# KiCad board Solder.kicad_pcb (continued)
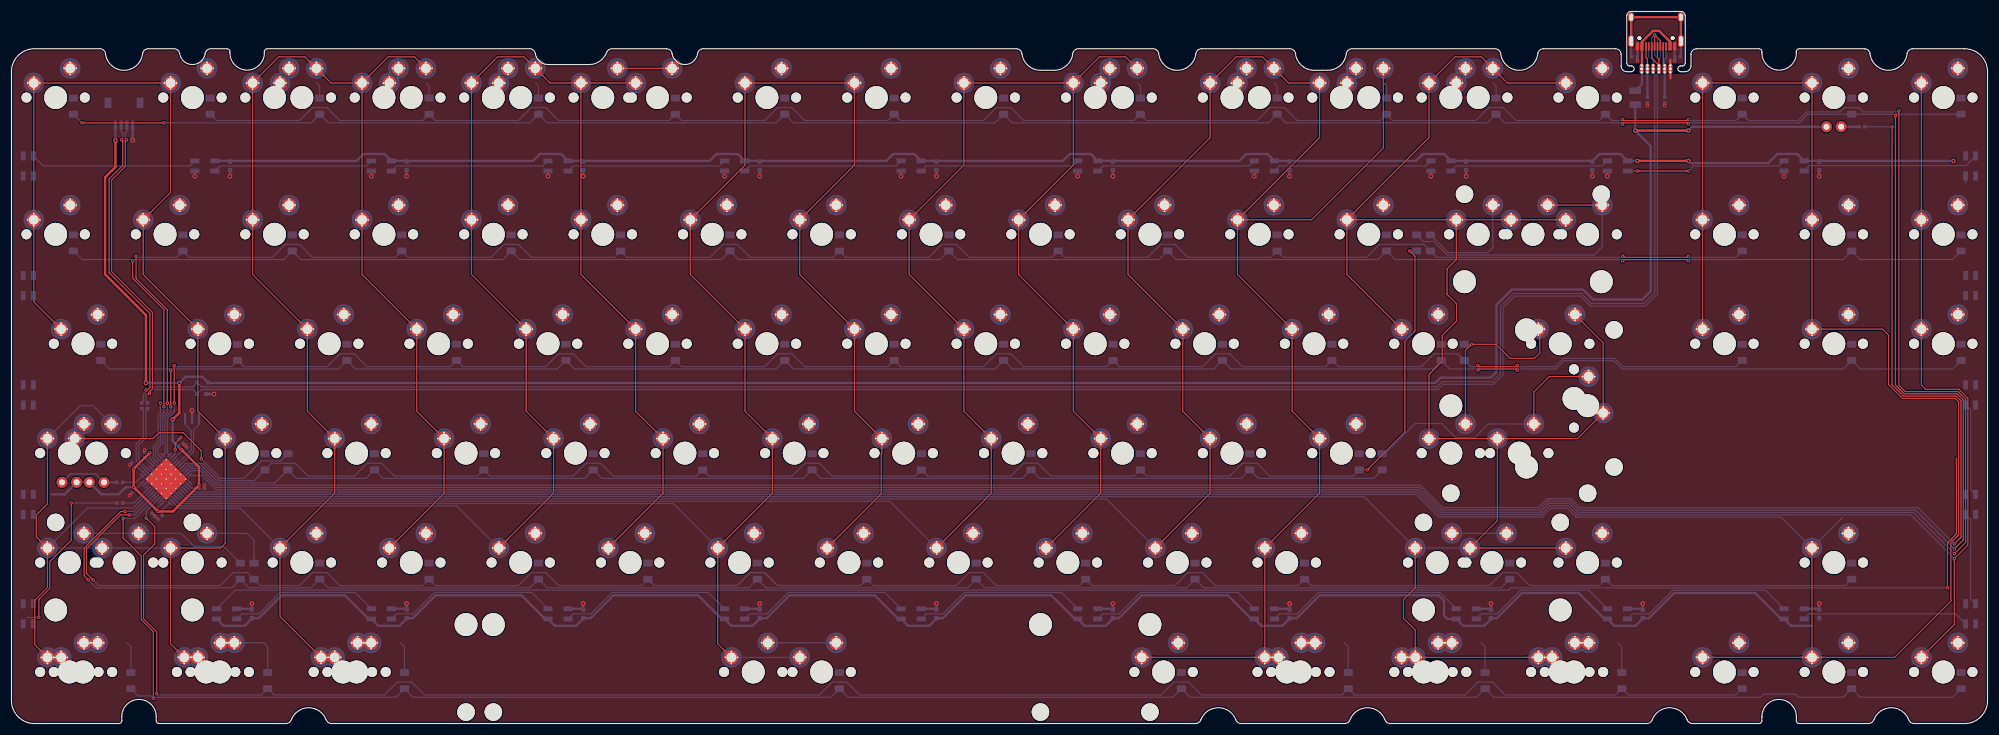
[diagram p0: board, top side]
## Routing (per net, layer and track width the routed paths; a pad name or vN(x,y) marks a point on that pad's centre or on a via; arc(x,y) is an arc through that point) (continued)
R9: length 388.1
  Top w0.2: v1(20.58,36.32) 18.98,36.32 13.05,30.38 13.05,26.16 v1(14.18,25.02)
  Bottom w0.2: 111.9,24.02 126.35,24.02 ; 111.9,24.02 D36.1 ; 111.9,24.02 D36.1 ; 111.9,24.02 126.35,24.02 ; 126.35,24.02 128.6,26.27 ; 126.35,24.02 128.6,26.27 ; 131.1,26.27 133.35,24.02 ; 131.1,26.27 128.6,26.27 ; 131.1,26.27 133.35,24.02 ; 131.1,26.27 128.6,26.27 ; 133.35,24.02 147.8,24.02 ; 133.35,24.02 147.8,24.02 ; 147.8,24.02 D47.1 ; 147.8,24.02 D47.1 ; D47.1 150,24.02 164.45,24.02 166.7,26.27 169.2,26.27 171.45,24.02 185.9,24.02 D57.1 188.1,24.02 202.55,24.02 204.8,26.27 207.3,26.27 209.55,24.02 224,24.02 D68.1 226.2,24.02 257.32,24.02 259.57,26.27 262.07,26.27 264.32,24.02 276.39,24.02 D80.1 278.59,24.02 319.25,24.02 D89.1 ; D36.1 109.7,24.02 95.25,24.02 93,26.27 90.5,26.27 88.25,24.02 73.8,24.02 D26.1 71.6,24.02 57.15,24.02 54.9,26.27 52.4,26.27 50.15,24.02 43.31,24.02 D14.1 41.06,26.27 38.58,26.27 36.33,24.02 15.18,24.02 v1(14.18,25.02) ; v1(20.58,36.32) 21.38,36.32 U1.38 24.92,39.86
R10: length 367.6
  Top w0.2: v1(19.42,35.72) 19.42,32.33 22.59,29.16 22.59,18.08 24.69,15.99 v1(24.69,4.37)
  Bottom w0.2: v1(19.42,35.72) 21.49,35.72 U1.37 ; D9.1 22.05,4.81 24.25,4.81 v1(24.69,4.37) 24.89,4.57 66.91,4.57 D21.1 69.91,4.57 142.64,4.57 D42.1 145.64,4.57 202.17,4.57 D63.1 205.17,4.57 255.03,4.57 D75.1 258.03,4.57 304.52,4.57 305.05,5.1 310.53,5.1 311.06,4.57 318.85,4.57 D90.1 321.85,4.57 337.9,4.57 D94.1
R11: length 324
  Top w0.2: v1(23.44,35.77) 24.94,34.27 24.94,31.27 22.99,29.32 22.99,18.25 25.29,15.95 v1(25.29,5.17)
  Bottom w0.2: v1(23.44,35.77) 23.44,36.97 U1.36 ; v1(25.29,5.17) 25.49,4.97 43.5,4.97 D15.1 45.7,4.97 64.91,4.97 67.16,7.22 69.66,7.22 71.91,4.97 140.64,4.97 142.89,7.22 145.39,7.22 147.64,4.97 200.17,4.97 202.42,7.22 204.92,7.22 207.17,4.97 231.61,4.97 D69.1 233.81,4.97 253.03,4.97 255.28,7.22 257.78,7.22 260.03,4.97 279.24,4.97 D81.1 281.44,4.97 300.2,4.97 D85.1
Scroll: length 403.1
  Top w0.2: v1(327.37,103.91) 327.37,58.98 329.35,57 338.55,57 339.38,56.17 339.38,32.41 v1(338.23,31.26)
  Bottom w0.2: R3.1 v1(327.37,103.91) ; U1.20 30.89,44.42 33,44.42 35.93,41.49 245.22,41.49 249.14,37.57 265.78,37.57 267.33,39.12 271.46,39.12 273.04,37.55 331.94,37.55 v1(338.23,31.26)
Shiled: length 39.6
  Top w0.4: USB1.13 USB1.13 USB1.13 USB1.13
  Bottom w0.4: 290.61,116.02 USB1.13 USB1.13 USB1.13 USB1.13 281.97,116.02
Strip1: length 29.2
  Bottom w0.2: RGB2.4 31.04,97.08 5.55,97.08 RGB13.2
Strip2: length 31
  Bottom w0.2: RGB19.2 313,97.13 340.24,97.13 RGB20.4
Strip3: length 29.2
  Bottom w0.2: RGB21.4 312.95,19.09 338.44,19.09 RGB12.2
Net-(C2-Pad2): length 2
  Bottom w0.2: C2.2 U1.6
Net-(D1-Pad1): length 10.8
  Bottom w0.25: D2.1 14.64,43.46 10.26,43.46 D1.1
  Bottom w0.4: D2.1 R2.2
Net-(D3-Pad1): length 3.1
  Bottom w0.4: D3.1 R3.2
Net-(D7-Pad2): length 43.4
  Top w0.2: v1(33.04,46.07) 33.04,47.49 29.91,50.62 25.67,50.62 24.66,49.61 13.57,49.61 MX9.1
  Bottom w0.2: v1(33.04,46.07) 36.42,42.69 40.49,42.69 43.52,45.72 46.87,45.72 D7.2
Net-(D8-Pad2): length 29.4
  Bottom w0.2: MX6.2 MX7.2 29.5,33.1 31.83,30.77 36.98,30.77 D8.2
Net-(D9-Pad2): length 5.5
  Bottom w0.2: 20.09,14.05 20.78,13.36 D9.2
Net-(D14-Pad2): length 12.6
  Bottom w0.2: D14.2 42.21,31.89 41,33.1 MX15.2
Net-(D15-Pad2): length 10.6
  Bottom w0.2: D15.2 44.6,13.36 43.91,14.05 MX10.2
Net-(D16-Pad2): length 2.9
  Bottom w0.2: 53.12,111.53 53.65,111 D16.2
Net-(D21-Pad2): length 5.5
  Bottom w0.2: D21.2 68.41,13.36 67.72,14.05
Net-(D22-Pad2): length 2.9
  Bottom w0.2: D22.2 72.7,111 72.17,111.53
Net-(D27-Pad2): length 2.9
  Bottom w0.2: D27.2 91.75,111 91.22,111.53
Net-(D32-Pad2): length 9.5
  Top w0.2: MX37.2 MX38.2
Net-(D42-Pad2): length 11.9
  Bottom w0.2: MX43.2 MX49.2
Net-(D53-Pad2): length 2.9
  Bottom w0.2: D53.2 196.52,111 196,111.53
Net-(D58-Pad2): length 2.9
  Bottom w0.2: D58.2 220.34,111 219.81,111.53
Net-(D64-Pad2): length 2.9
  Bottom w0.2: D64.2 239.39,111 238.86,111.53
Net-(D69-Pad2): length 5.5
  Bottom w0.2: D69.2 232.71,13.36 232.02,14.05
Net-(D70-Pad2): length 2.9
  Bottom w0.2: D70.2 258.44,111 257.91,111.53
Net-(D73-Pad2): length 46.3
  Top w0.2: MX85.2 265.02,57.73 267.7,60.41 MX90.1
  Bottom w0.2: MX85.2 257.1,52.15 254.69,49.74 251.44,49.74 248.94,52.24 244.39,52.24 239.12,46.97
Net-(D74-Pad2): length 9.5
  Bottom w0.2: MX86.2 MX87.2
Net-(D75-Pad2): length 5.5
  Bottom w0.2: D75.2 256.53,13.36 255.84,14.05
Net-(D77-Pad2): length 19.9
  Bottom w0.2: MX93.2 257.88,82.85 257,81.97 250.1,81.97 D77.2
Net-(D78-Pad2): length 33
  Top w0.2: 266.04,68.66 266.04,64.5 265.12,63.57 260.87,63.57 258.42,66.02 v1(254.17,66.02) 253.11,64.97 MX94.2
  Bottom w0.2: D78.2 v1(254.17,66.02)
Net-(D79-Pad2): length 51.1
  Top w0.2: MX96.2 MX95.2
  Bottom w0.2: MX95.2 276.93,83 275.5,81.57 249.94,81.57 247.59,83.92 245.77,83.92 D79.2
Net-(D81-Pad2): length 5.5
  Bottom w0.2: D81.2 280.34,13.36 279.65,14.05
Net-(R1-Pad2): length 4.6
  Top w0.2: v1(29.51,49.82) 28.5,48.81 v1(28.5,47.68)
  Bottom w0.2: U1.13 28.5,46.97 v1(28.5,47.68) ; R1.2 v1(29.51,49.82)
Net-(R4-Pad2): length 2.8
  Bottom w0.2: U1.33 26.22,37.15 R4.2
Net-(R5-Pad2): length 5.6
  Bottom w0.2: U1.41 21.33,38.39 R5.2
Net-(RGB2-Pad2): length 28
  Bottom w0.2: RGB5.4 61.78,97.08 36.29,97.08 RGB2.2
Net-(RGB5-Pad2): length 28
  Bottom w0.2: RGB5.2 67.03,97.08 92.52,97.08 RGB8.4
Net-(RGB6-Pad2): length 16.3
  Bottom w0.2: RGB6.2 341.06,54.57 341.06,40.77 RGB9.4
Net-(RGB11-Pad2): length 28
  Bottom w0.2: RGB14.4 154,97.08 128.51,97.08 RGB11.2
Net-(RGB11-Pad4): length 28
  Bottom w0.2: RGB11.4 123.26,97.08 97.77,97.08 RGB8.2
Net-(RGB12-Pad4): length 16.3
  Bottom w0.2: RGB9.2 341.06,35.52 341.06,21.72 RGB12.4
Net-(RGB14-Pad2): length 28
  Bottom w0.2: RGB14.2 159.25,97.08 184.74,97.08 RGB15.4
Net-(RGB15-Pad2): length 28
  Bottom w0.2: RGB15.2 189.99,97.08 215.48,97.08 RGB16.4
Net-(RGB16-Pad2): length 28
  Bottom w0.2: RGB16.2 220.73,97.08 246.22,97.08 RGB17.4
Net-(RGB17-Pad2): length 28
  Bottom w0.2: RGB18.4 276.96,97.08 251.47,97.08 RGB17.2
Net-(RGB18-Pad2): length 28
  Top w0.2: v1(291.95,96.21) v1(283.02,96.21)
  Bottom w0.2: v1(291.95,96.21) 292.82,97.08 307.7,97.08 RGB19.4 ; RGB18.2 v1(283.02,96.21)
Net-(RGB20-Pad2): length 1.2
  Bottom w0.2: RGB20.2 340.19,94.12
Net-(RGB21-Pad2): length 30.7
  Bottom w0.2: RGB21.2 305.32,23.22 289.23,23.22 285.1,19.09 282.21,19.09 RGB22.4
Net-(RGB22-Pad2): length 26.2
  Bottom w0.2: RGB22.2 274.58,23.22 262.74,23.22 258.61,19.09 255.88,19.09 RGB23.4
Net-(RGB23-Pad2): length 34.7
  Bottom w0.2: RGB24.4 220.73,19.09 223.79,19.09 227.52,22.82 248.65,22.82 RGB23.2
Net-(RGB24-Pad2): length 30.3
  Bottom w0.2: RGB24.2 213.5,22.82 196.56,22.82 192.83,19.09 189.99,19.09 RGB25.4
Net-(RGB25-Pad2): length 30.3
  Bottom w0.2: RGB25.2 182.76,22.82 165.9,22.82 162.17,19.09 159.25,19.09 RGB26.4
Net-(RGB26-Pad2): length 30.3
  Bottom w0.2: RGB26.2 152.02,22.82 135.24,22.82 131.51,19.09 128.51,19.09 RGB27.4
Net-(RGB27-Pad2): length 30.3
  Bottom w0.2: RGB28.4 97.77,19.09 100.85,19.09 104.58,22.82 121.28,22.82 RGB27.2
Net-(RGB28-Pad2): length 30.3
  Bottom w0.2: RGB29.4 67.03,19.09 69.9,19.09 73.63,22.82 90.54,22.82 RGB28.2
Net-(RGB29-Pad2): length 26.5
  Bottom w0.2: RGB30.4 40.08,19.09 43.11,19.09 46.84,22.82 59.8,22.82 RGB29.2
Net-(U1-Pad16): length 9.2
  Bottom w0.2: U1.16 31.29,47.65 31.29,51.01 30.23,52.07 Y1.3
Net-(U1-Pad17): length 9.6
  Bottom w0.2: U1.17 31.69,47.34 31.69,51.13 32.63,52.07 Y1.1

## Copper pours and planes (outline as drawn; the poured copper is in the pictures)
+5V on Bottom: 10.13,40.51 10.19,40.56 10.25,40.61 10.3,40.66 10.35,40.7 10.4,40.73 10.45,40.77 10.5,40.8 10.54,40.82 10.59,40.84 10.63,40.86 11.52,41.05 11.58,41.07 11.65,41.09 11.67,42.33 10.44,42.31 10.42,42.24 10.4,42.18 10.21,41.29 10.19,41.24 10.16,41.2 10.14,41.15 10.11,41.1 10.08,41.06 10.04,41.01 10,40.95 9.96,40.9 9.91,40.85 9.85,40.79
+5V on Bottom: 314.08,103.71 314.16,103.71 314.23,103.7 314.3,103.7 314.36,103.69 314.42,103.68 314.48,103.67 314.54,103.66 314.59,103.64 314.64,103.62 314.68,103.61 315.44,103.11 315.5,103.08 315.56,103.05 316.46,103.91 315.56,104.76 315.5,104.73 315.44,104.7 314.68,104.21 314.64,104.19 314.59,104.17 314.54,104.16 314.48,104.15 314.42,104.13 314.36,104.12 314.3,104.12 314.23,104.11 314.16,104.11 314.08,104.11
+5V on Bottom: 11.66,41.79 11.74,41.79 11.81,41.79 11.88,41.78 11.94,41.78 12.01,41.77 12.06,41.76 12.12,41.74 12.17,41.73 12.22,41.71 12.26,41.69 13.02,41.2 13.08,41.17 13.15,41.14 14.04,41.99 13.15,42.85 13.08,42.82 13.02,42.79 12.26,42.3 12.22,42.28 12.17,42.26 12.12,42.25 12.06,42.23 12.01,42.22 11.94,42.21 11.88,42.2 11.81,42.2 11.74,42.2 11.66,42.19
+5V on Bottom: 13.24,42.19 13.16,42.2 13.09,42.2 13.02,42.2 12.95,42.21 12.89,42.22 12.83,42.23 12.78,42.25 12.73,42.26 12.68,42.28 12.64,42.3 11.87,42.79 11.81,42.82 11.75,42.85 10.86,41.99 11.75,41.14 11.81,41.17 11.87,41.2 12.64,41.69 12.68,41.71 12.73,41.73 12.78,41.74 12.83,41.76 12.89,41.77 12.95,41.78 13.02,41.78 13.09,41.79 13.16,41.79 13.24,41.79
+5V on Bottom: 15.05,40.79 14.99,40.85 14.94,40.9 14.9,40.95 14.86,41.01 14.82,41.06 14.79,41.1 14.76,41.15 14.73,41.2 14.71,41.24 14.69,41.29 14.5,42.18 14.48,42.24 14.46,42.31 13.22,42.33 13.25,41.09 13.31,41.07 13.38,41.05 14.26,40.86 14.31,40.84 14.36,40.82 14.4,40.8 14.45,40.77 14.5,40.73 14.55,40.7 14.6,40.66 14.65,40.61 14.71,40.56 14.76,40.51
GND on Top: 345.83,-0.55 -1.84,-0.55 -1.84,118.51 279.75,118.51 279.75,126.85 292.84,126.85 292.84,118.51 345.83,118.51
C0 on Top: 30.62,70.35 30.69,70.28 30.76,70.2 30.82,70.13 30.87,70.06 30.92,69.99 30.96,69.93 30.99,69.86 31.02,69.8 31.04,69.73 31.06,69.67 31.08,69.61 31.09,69.55 31.1,69.48 31.11,69.42 31.14,68.9 31.15,68.83 31.15,68.75 31.16,68.68 31.18,68.6 31.2,68.52 31.22,68.43 31.24,68.35 31.27,68.25 32.89,68.22 32.86,69.85 32.77,69.87 32.68,69.9 32.6,69.92 32.52,69.94 32.44,69.95 32.36,69.96 32.29,69.97 32.22,69.98 31.69,70.01 31.63,70.01 31.57,70.02 31.51,70.04 31.45,70.05 31.38,70.07 31.32,70.1 31.26,70.13 31.19,70.16 31.12,70.2 31.05,70.25 30.98,70.3 30.91,70.36 30.84,70.42 30.76,70.5
C0 on Top: 27.79,28.07 27.79,28.18 27.8,28.28 27.81,28.37 27.82,28.46 27.84,28.54 27.85,28.61 27.88,28.68 27.9,28.75 27.93,28.81 27.96,28.87 27.99,28.93 28.03,28.98 28.06,29.03 28.1,29.08 28.45,29.47 28.5,29.53 28.54,29.58 28.59,29.65 28.64,29.71 28.68,29.78 28.73,29.85 28.77,29.93 28.81,30.02 27.69,31.19 26.56,30.02 26.61,29.93 26.65,29.85 26.7,29.78 26.74,29.71 26.79,29.65 26.83,29.58 26.88,29.53 26.93,29.47 27.28,29.08 27.31,29.03 27.35,28.98 27.39,28.93 27.42,28.87 27.45,28.81 27.48,28.75 27.5,28.68 27.52,28.61 27.54,28.54 27.56,28.46 27.57,28.37 27.58,28.28 27.59,28.18 27.59,28.07
C0 on Top: 6.81,70.35 6.88,70.28 6.95,70.2 7.01,70.13 7.06,70.06 7.1,69.99 7.14,69.93 7.18,69.86 7.21,69.8 7.23,69.73 7.25,69.67 7.27,69.61 7.28,69.55 7.29,69.48 7.3,69.42 7.33,68.9 7.33,68.83 7.34,68.75 7.35,68.68 7.37,68.6 7.38,68.52 7.4,68.43 7.43,68.35 7.46,68.25 9.08,68.22 9.05,69.85 8.96,69.87 8.87,69.9 8.79,69.92 8.71,69.94 8.63,69.95 8.55,69.96 8.48,69.97 8.4,69.98 7.88,70.01 7.82,70.01 7.76,70.02 7.7,70.04 7.63,70.05 7.57,70.07 7.51,70.1 7.44,70.13 7.38,70.16 7.31,70.2 7.24,70.25 7.17,70.3 7.1,70.36 7.03,70.42 6.95,70.5
C0 on Top: 37.31,47.12 37.32,47.23 37.32,47.33 37.33,47.42 37.34,47.51 37.36,47.59 37.38,47.66 37.4,47.73 37.43,47.8 37.45,47.86 37.48,47.92 37.52,47.98 37.55,48.03 37.59,48.08 37.63,48.13 37.98,48.52 38.02,48.58 38.07,48.63 38.11,48.7 38.16,48.76 38.21,48.83 38.25,48.9 38.3,48.98 38.34,49.07 37.21,50.24 36.09,49.07 36.13,48.98 36.18,48.9 36.22,48.83 36.27,48.76 36.31,48.7 36.36,48.63 36.41,48.58 36.45,48.52 36.8,48.13 36.84,48.08 36.88,48.03 36.91,47.98 36.94,47.92 36.97,47.86 37,47.8 37.03,47.73 37.05,47.66 37.07,47.59 37.08,47.51 37.1,47.42 37.11,47.33 37.11,47.23 37.11,47.12
C0 on Top: 30.18,30.66 30.07,30.67 29.97,30.67 29.88,30.68 29.8,30.69 29.71,30.71 29.64,30.73 29.57,30.75 29.5,30.78 29.44,30.81 29.38,30.84 29.33,30.87 29.27,30.9 29.22,30.94 29.17,30.98 28.78,31.33 28.73,31.37 28.67,31.42 28.61,31.47 28.54,31.51 28.47,31.56 28.4,31.6 28.32,31.65 28.23,31.69 27.06,30.56 28.23,29.44 28.32,29.48 28.4,29.53 28.47,29.57 28.54,29.62 28.61,29.66 28.67,29.71 28.73,29.76 28.78,29.8 29.17,30.15 29.22,30.19 29.27,30.23 29.33,30.26 29.38,30.29 29.44,30.32 29.5,30.35 29.57,30.38 29.64,30.4 29.71,30.42 29.8,30.43 29.88,30.45 29.97,30.46 30.07,30.46 30.18,30.46
C0 on Top: 23.03,85.22 23.03,85.33 23.03,85.43 23.04,85.52 23.06,85.61 23.07,85.69 23.09,85.76 23.11,85.83 23.14,85.9 23.17,85.96 23.2,86.02 23.23,86.08 23.26,86.13 23.3,86.18 23.34,86.23 23.69,86.62 23.73,86.68 23.78,86.73 23.83,86.8 23.87,86.86 23.92,86.93 23.96,87 24.01,87.08 24.05,87.17 22.93,88.34 21.8,87.17 21.84,87.08 21.89,87 21.93,86.93 21.98,86.86 22.03,86.8 22.07,86.73 22.12,86.68 22.17,86.62 22.51,86.23 22.55,86.18 22.59,86.13 22.62,86.08 22.66,86.02 22.69,85.96 22.71,85.9 22.74,85.83 22.76,85.76 22.78,85.69 22.8,85.61 22.81,85.52 22.82,85.43 22.82,85.33 22.83,85.22
C0 on Top: 35.38,51.3 35.46,51.23 35.52,51.15 35.58,51.08 35.63,51.01 35.68,50.94 35.72,50.88 35.75,50.81 35.78,50.75 35.81,50.68 35.83,50.62 35.84,50.56 35.85,50.5 35.87,50.43 35.87,50.37 35.9,49.85 35.91,49.78 35.92,49.7 35.93,49.63 35.94,49.55 35.96,49.47 35.98,49.38 36,49.3 36.03,49.2 37.66,49.17 37.62,50.8 37.53,50.82 37.45,50.85 37.36,50.87 37.28,50.89 37.2,50.9 37.13,50.91 37.05,50.92 36.98,50.93 36.46,50.96 36.39,50.96 36.33,50.97 36.27,50.99 36.21,51 36.15,51.02 36.08,51.05 36.02,51.08 35.95,51.11 35.89,51.15 35.82,51.2 35.75,51.25 35.67,51.31 35.6,51.37 35.52,51.45
C0 on Top: 32.55,66.17 32.55,66.28 32.56,66.38 32.57,66.47 32.58,66.56 32.6,66.64 32.62,66.71 32.64,66.78 32.66,66.85 32.69,66.91 32.72,66.97 32.75,67.03 32.79,67.08 32.83,67.13 32.86,67.18 33.21,67.57 33.26,67.63 33.31,67.68 33.35,67.75 33.4,67.81 33.44,67.88 33.49,67.95 33.53,68.03 33.58,68.12 32.45,69.29 31.33,68.12 31.37,68.03 31.41,67.95 31.46,67.88 31.5,67.81 31.55,67.75 31.6,67.68 31.64,67.63 31.69,67.57 32.04,67.18 32.08,67.13 32.11,67.08 32.15,67.03 32.18,66.97 32.21,66.91 32.24,66.85 32.26,66.78 32.29,66.71 32.31,66.64 32.32,66.56 32.33,66.47 32.34,66.38 32.35,66.28 32.35,66.17
C0 on Top: 28.24,13.2 28.31,13.13 28.38,13.05 28.44,12.98 28.49,12.91 28.53,12.84 28.57,12.78 28.61,12.71 28.64,12.65 28.66,12.58 28.68,12.52 28.7,12.46 28.71,12.4 28.72,12.33 28.73,12.27 28.76,11.75 28.76,11.68 28.77,11.6 28.78,11.53 28.8,11.45 28.81,11.37 28.83,11.28 28.86,11.2 28.89,11.1 30.51,11.07 30.48,12.7 30.39,12.72 30.3,12.75 30.22,12.77 30.14,12.79 30.06,12.8 29.98,12.81 29.91,12.82 29.84,12.83 29.31,12.86 29.25,12.86 29.19,12.87 29.13,12.89 29.06,12.9 29,12.92 28.94,12.95 28.87,12.98 28.81,13.01 28.74,13.05 28.67,13.1 28.6,13.15 28.53,13.21 28.46,13.27 28.38,13.35
C0 on Top: 3.98,85.22 3.98,85.33 3.98,85.43 3.99,85.52 4.01,85.61 4.02,85.69 4.04,85.76 4.06,85.83 4.09,85.9 4.12,85.96 4.15,86.02 4.18,86.08 4.21,86.13 4.25,86.18 4.29,86.23 4.64,86.62 4.68,86.68 4.73,86.73 4.78,86.8 4.82,86.86 4.87,86.93 4.91,87 4.96,87.08 5,87.17 3.88,88.34 2.75,87.17 2.79,87.08 2.84,87 2.88,86.93 2.93,86.86 2.98,86.8 3.02,86.73 3.07,86.68 3.12,86.62 3.46,86.23 3.5,86.18 3.54,86.13 3.57,86.08 3.61,86.02 3.64,85.96 3.66,85.9 3.69,85.83 3.71,85.76 3.73,85.69 3.75,85.61 3.76,85.52 3.77,85.43 3.77,85.33 3.78,85.22
C0 on Top: 24.62,89.55 24.54,89.47 24.47,89.41 24.39,89.35 24.32,89.3 24.26,89.25 24.19,89.21 24.12,89.18 24.06,89.15 24,89.12 23.93,89.1 23.87,89.09 23.81,89.07 23.75,89.06 23.68,89.06 23.16,89.03 23.09,89.02 23.02,89.01 22.94,89 22.86,88.99 22.78,88.97 22.69,88.95 22.61,88.92 22.52,88.9 22.48,87.27 24.11,87.3 24.14,87.4 24.16,87.48 24.18,87.57 24.2,87.65 24.21,87.73 24.22,87.8 24.23,87.88 24.24,87.95 24.27,88.47 24.28,88.53 24.29,88.6 24.3,88.66 24.32,88.72 24.34,88.78 24.36,88.85 24.39,88.91 24.42,88.98 24.46,89.04 24.51,89.11 24.56,89.18 24.62,89.25 24.68,89.33 24.76,89.4
C0 on Top: 4.43,32.25 4.5,32.18 4.57,32.1 4.62,32.03 4.68,31.96 4.72,31.89 4.76,31.83 4.8,31.76 4.82,31.7 4.85,31.63 4.87,31.57 4.89,31.51 4.9,31.45 4.91,31.38 4.92,31.32 4.95,30.8 4.95,30.73 4.96,30.65 4.97,30.58 4.98,30.5 5,30.42 5.02,30.33 5.05,30.25 5.08,30.15 6.7,30.12 6.67,31.75 6.58,31.77 6.49,31.8 6.41,31.82 6.32,31.84 6.25,31.85 6.17,31.86 6.09,31.87 6.02,31.88 5.5,31.91 5.44,31.91 5.38,31.92 5.31,31.94 5.25,31.95 5.19,31.97 5.13,32 5.06,32.03 5,32.06 4.93,32.1 4.86,32.15 4.79,32.2 4.72,32.26 4.64,32.32 4.57,32.4
C0 on Top: 6.36,47.12 6.36,47.23 6.37,47.33 6.37,47.42 6.39,47.51 6.4,47.59 6.42,47.66 6.45,47.73 6.47,47.8 6.5,47.86 6.53,47.92 6.56,47.98 6.6,48.03 6.63,48.08 6.67,48.13 7.02,48.52 7.07,48.58 7.11,48.63 7.16,48.7 7.2,48.76 7.25,48.83 7.3,48.9 7.34,48.98 7.38,49.07 6.26,50.24 5.13,49.07 5.18,48.98 5.22,48.9 5.27,48.83 5.31,48.76 5.36,48.7 5.4,48.63 5.45,48.58 5.5,48.52 5.85,48.13 5.88,48.08 5.92,48.03 5.95,47.98 5.99,47.92 6.02,47.86 6.04,47.8 6.07,47.73 6.09,47.66 6.11,47.59 6.13,47.51 6.14,47.42 6.15,47.33 6.16,47.23 6.16,47.12
C0 on Top: 27.79,109.04 27.79,109.14 27.8,109.24 27.81,109.33 27.82,109.42 27.84,109.5 27.85,109.58 27.88,109.65 27.9,109.71 27.93,109.78 27.96,109.83 27.99,109.89 28.03,109.94 28.06,109.99 28.1,110.04 28.45,110.43 28.5,110.49 28.54,110.55 28.59,110.61 28.64,110.67 28.68,110.74 28.73,110.82 28.77,110.9 28.81,110.98 27.69,112.15 26.56,110.98 26.61,110.9 26.65,110.82 26.7,110.74 26.74,110.67 26.79,110.61 26.83,110.55 26.88,110.49 26.93,110.43 27.28,110.04 27.31,109.99 27.35,109.94 27.39,109.89 27.42,109.83 27.45,109.78 27.48,109.71 27.5,109.65 27.52,109.58 27.54,109.5 27.56,109.42 27.57,109.33 27.58,109.24 27.59,109.14 27.59,109.04
C0 on Top: 3.78,90.2 3.77,90.1 3.77,90 3.76,89.91 3.75,89.82 3.73,89.74 3.71,89.66 3.69,89.59 3.66,89.53 3.64,89.47 3.61,89.41 3.57,89.35 3.54,89.3 3.5,89.25 3.46,89.2 3.12,88.81 3.07,88.75 3.02,88.69 2.98,88.63 2.93,88.57 2.88,88.5 2.84,88.42 2.79,88.34 2.75,88.26 3.88,87.09 5,88.26 4.96,88.34 4.91,88.42 4.87,88.5 4.82,88.57 4.78,88.63 4.73,88.69 4.68,88.75 4.64,88.81 4.29,89.2 4.25,89.25 4.21,89.3 4.18,89.35 4.15,89.41 4.12,89.47 4.09,89.53 4.06,89.59 4.04,89.66 4.02,89.74 4.01,89.82 3.99,89.91 3.98,90 3.98,90.1 3.98,90.2
C0 on Top: 3.98,109.04 3.98,109.14 3.98,109.24 3.99,109.33 4.01,109.42 4.02,109.5 4.04,109.58 4.06,109.65 4.09,109.71 4.12,109.78 4.15,109.83 4.18,109.89 4.21,109.94 4.25,109.99 4.29,110.04 4.64,110.43 4.68,110.49 4.73,110.55 4.78,110.61 4.82,110.67 4.87,110.74 4.91,110.82 4.96,110.9 5,110.98 3.88,112.15 2.75,110.98 2.79,110.9 2.84,110.82 2.88,110.74 2.93,110.67 2.98,110.61 3.02,110.55 3.07,110.49 3.12,110.43 3.46,110.04 3.5,109.99 3.54,109.94 3.57,109.89 3.61,109.83 3.64,109.78 3.66,109.71 3.69,109.65 3.71,109.58 3.73,109.5 3.75,109.42 3.76,109.33 3.77,109.24 3.77,109.14 3.78,109.04
C0 on Top: 6.37,111.63 6.26,111.63 6.16,111.63 6.07,111.64 5.98,111.66 5.9,111.67 5.83,111.69 5.76,111.71 5.69,111.74 5.63,111.77 5.57,111.8 5.51,111.83 5.46,111.86 5.41,111.9 5.36,111.94 4.97,112.29 4.91,112.33 4.86,112.38 4.8,112.43 4.73,112.47 4.66,112.52 4.59,112.56 4.51,112.61 4.42,112.65 3.25,111.53 4.42,110.4 4.51,110.45 4.59,110.49 4.66,110.53 4.73,110.58 4.8,110.63 4.86,110.67 4.91,110.72 4.97,110.77 5.36,111.11 5.41,111.15 5.46,111.19 5.51,111.22 5.57,111.26 5.63,111.29 5.69,111.31 5.76,111.34 5.83,111.36 5.9,111.38 5.98,111.4 6.07,111.41 6.16,111.42 6.26,111.43 6.37,111.43
C0 on Top: 4.43,13.2 4.5,13.13 4.57,13.05 4.62,12.98 4.68,12.91 4.72,12.84 4.76,12.78 4.8,12.71 4.82,12.65 4.85,12.58 4.87,12.52 4.89,12.46 4.9,12.4 4.91,12.33 4.92,12.27 4.95,11.75 4.95,11.68 4.96,11.6 4.97,11.53 4.98,11.45 5,11.37 5.02,11.28 5.05,11.2 5.08,11.1 6.7,11.07 6.67,12.7 6.58,12.72 6.49,12.75 6.41,12.77 6.32,12.79 6.25,12.8 6.17,12.81 6.09,12.82 6.02,12.83 5.5,12.86 5.44,12.86 5.38,12.87 5.31,12.89 5.25,12.9 5.19,12.92 5.13,12.95 5.06,12.98 5,13.01 4.93,13.05 4.86,13.1 4.79,13.15 4.72,13.21 4.64,13.27 4.57,13.35
C0 on Top: 25.2,111.43 25.31,111.43 25.4,111.42 25.5,111.41 25.58,111.4 25.66,111.38 25.74,111.36 25.81,111.34 25.88,111.31 25.94,111.29 26,111.26 26.05,111.22 26.1,111.19 26.16,111.15 26.21,111.11 26.6,110.77 26.65,110.72 26.71,110.67 26.77,110.63 26.84,110.58 26.91,110.53 26.98,110.49 27.06,110.45 27.14,110.4 28.31,111.53 27.14,112.65 27.06,112.61 26.98,112.56 26.91,112.52 26.84,112.47 26.77,112.43 26.71,112.38 26.65,112.33 26.6,112.29 26.21,111.94 26.16,111.9 26.1,111.86 26.05,111.83 26,111.8 25.94,111.77 25.88,111.74 25.81,111.71 25.74,111.69 25.66,111.67 25.58,111.66 25.5,111.64 25.4,111.63 25.31,111.63 25.2,111.63
C0 on Top: 6.36,28.07 6.36,28.18 6.37,28.28 6.37,28.37 6.39,28.46 6.4,28.54 6.42,28.61 6.45,28.68 6.47,28.75 6.5,28.81 6.53,28.87 6.56,28.93 6.6,28.98 6.63,29.03 6.67,29.08 7.02,29.47 7.07,29.53 7.11,29.58 7.16,29.65 7.2,29.71 7.25,29.78 7.3,29.85 7.34,29.93 7.38,30.02 6.26,31.19 5.13,30.02 5.18,29.93 5.22,29.85 5.27,29.78 5.31,29.71 5.36,29.65 5.4,29.58 5.45,29.53 5.5,29.47 5.85,29.08 5.88,29.03 5.92,28.98 5.95,28.93 5.99,28.87 6.02,28.81 6.04,28.75 6.07,28.68 6.09,28.61 6.11,28.54 6.13,28.46 6.14,28.37 6.15,28.28 6.16,28.18 6.16,28.07
C0 on Bottom: 25.2,30.46 25.31,30.46 25.4,30.46 25.5,30.45 25.58,30.43 25.66,30.42 25.74,30.4 25.81,30.38 25.88,30.35 25.94,30.32 26,30.29 26.05,30.26 26.1,30.23 26.16,30.19 26.21,30.15 26.6,29.8 26.65,29.76 26.71,29.71 26.77,29.66 26.84,29.62 26.91,29.57 26.98,29.53 27.06,29.48 27.14,29.44 28.31,30.56 27.14,31.69 27.06,31.65 26.98,31.6 26.91,31.56 26.84,31.51 26.77,31.47 26.71,31.42 26.65,31.37 26.6,31.33 26.21,30.98 26.16,30.94 26.1,30.9 26.05,30.87 26,30.84 25.94,30.81 25.88,30.78 25.81,30.75 25.74,30.73 25.66,30.71 25.58,30.69 25.5,30.68 25.4,30.67 25.31,30.67 25.2,30.66
C0 on Bottom: 18.27,30.66 18.17,30.67 18.07,30.67 17.98,30.68 17.89,30.69 17.81,30.71 17.73,30.73 17.66,30.75 17.6,30.78 17.53,30.81 17.48,30.84 17.42,30.87 17.37,30.9 17.32,30.94 17.27,30.98 16.88,31.33 16.82,31.37 16.76,31.42 16.7,31.47 16.64,31.51 16.57,31.56 16.49,31.6 16.41,31.65 16.33,31.69 15.16,30.56 16.33,29.44 16.41,29.48 16.49,29.53 16.57,29.57 16.64,29.62 16.7,29.66 16.76,29.71 16.82,29.76 16.88,29.8 17.27,30.15 17.32,30.19 17.37,30.23 17.42,30.26 17.48,30.29 17.53,30.32 17.6,30.35 17.66,30.38 17.73,30.4 17.81,30.42 17.89,30.43 17.98,30.45 18.07,30.46 18.17,30.46 18.27,30.46
C0 on Bottom: 13.29,30.46 13.4,30.46 13.5,30.46 13.59,30.45 13.68,30.43 13.76,30.42 13.83,30.4 13.9,30.38 13.97,30.35 14.03,30.32 14.09,30.29 14.15,30.26 14.2,30.23 14.25,30.19 14.3,30.15 14.69,29.8 14.74,29.76 14.8,29.71 14.86,29.66 14.93,29.62 15,29.57 15.07,29.53 15.15,29.48 15.24,29.44 16.41,30.56 15.24,31.69 15.15,31.65 15.07,31.6 15,31.56 14.93,31.51 14.86,31.47 14.8,31.42 14.74,31.37 14.69,31.33 14.3,30.98 14.25,30.94 14.2,30.9 14.15,30.87 14.09,30.84 14.03,30.81 13.97,30.78 13.9,30.75 13.83,30.73 13.76,30.71 13.68,30.69 13.59,30.68 13.5,30.67 13.4,30.67 13.29,30.66
C0 on Bottom: 8.75,30.66 8.64,30.67 8.54,30.67 8.45,30.68 8.36,30.69 8.28,30.71 8.21,30.73 8.14,30.75 8.07,30.78 8.01,30.81 7.95,30.84 7.9,30.87 7.84,30.9 7.79,30.94 7.74,30.98 7.35,31.33 7.3,31.37 7.24,31.42 7.18,31.47 7.11,31.51 7.04,31.56 6.97,31.6 6.89,31.65 6.8,31.69 5.63,30.56 6.8,29.44 6.89,29.48 6.97,29.53 7.04,29.57 7.11,29.62 7.18,29.66 7.24,29.71 7.3,29.76 7.35,29.8 7.74,30.15 7.79,30.19 7.84,30.23 7.9,30.26 7.95,30.29 8.01,30.32 8.07,30.35 8.14,30.38 8.21,30.4 8.28,30.42 8.36,30.43 8.45,30.45 8.54,30.46 8.64,30.46 8.75,30.46
C0 on Bottom: 7.95,32.4 7.87,32.32 7.8,32.26 7.73,32.2 7.65,32.15 7.59,32.1 7.52,32.06 7.45,32.03 7.39,32 7.33,31.97 7.26,31.95 7.2,31.94 7.14,31.92 7.08,31.91 7.02,31.91 6.49,31.88 6.42,31.87 6.35,31.86 6.27,31.85 6.19,31.84 6.11,31.82 6.03,31.8 5.94,31.77 5.85,31.75 5.82,30.12 7.44,30.15 7.47,30.25 7.49,30.33 7.51,30.42 7.53,30.5 7.54,30.58 7.56,30.65 7.56,30.73 7.57,30.8 7.6,31.32 7.61,31.38 7.62,31.45 7.63,31.51 7.65,31.57 7.67,31.63 7.69,31.7 7.72,31.76 7.75,31.83 7.79,31.89 7.84,31.96 7.89,32.03 7.95,32.1 8.02,32.18 8.09,32.25
C0 on Bottom: 15.54,53.84 15.61,53.77 15.68,53.69 15.74,53.62 15.79,53.55 15.83,53.48 15.87,53.42 15.91,53.35 15.94,53.29 15.96,53.22 15.98,53.16 16,53.1 16.01,53.04 16.02,52.97 16.03,52.91 16.06,52.39 16.06,52.32 16.07,52.24 16.08,52.17 16.1,52.09 16.11,52.01 16.13,51.92 16.16,51.84 16.19,51.74 17.81,51.71 17.78,53.34 17.69,53.36 17.6,53.39 17.52,53.41 17.44,53.43 17.36,53.44 17.28,53.45 17.21,53.46 17.14,53.47 16.61,53.5 16.55,53.5 16.49,53.51 16.43,53.53 16.36,53.54 16.3,53.56 16.24,53.59 16.17,53.62 16.11,53.65 16.04,53.69 15.97,53.74 15.9,53.79 15.83,53.85 15.76,53.91 15.68,53.99
C0 on Bottom: 7.95,51.45 7.87,51.37 7.8,51.31 7.73,51.25 7.65,51.2 7.59,51.15 7.52,51.11 7.45,51.08 7.39,51.05 7.33,51.02 7.26,51 7.2,50.99 7.14,50.97 7.08,50.96 7.02,50.96 6.49,50.93 6.42,50.92 6.35,50.91 6.27,50.9 6.19,50.89 6.11,50.87 6.03,50.85 5.94,50.82 5.85,50.8 5.82,49.17 7.44,49.2 7.47,49.3 7.49,49.38 7.51,49.47 7.53,49.55 7.54,49.63 7.56,49.7 7.56,49.78 7.57,49.85 7.6,50.37 7.61,50.43 7.62,50.5 7.63,50.56 7.65,50.62 7.67,50.68 7.69,50.75 7.72,50.81 7.75,50.88 7.79,50.94 7.84,51.01 7.89,51.08 7.95,51.15 8.02,51.23 8.09,51.3